# Altium PCB GE21_M1_pku_f100.PcbDoc (part 1 of 19) (continued)
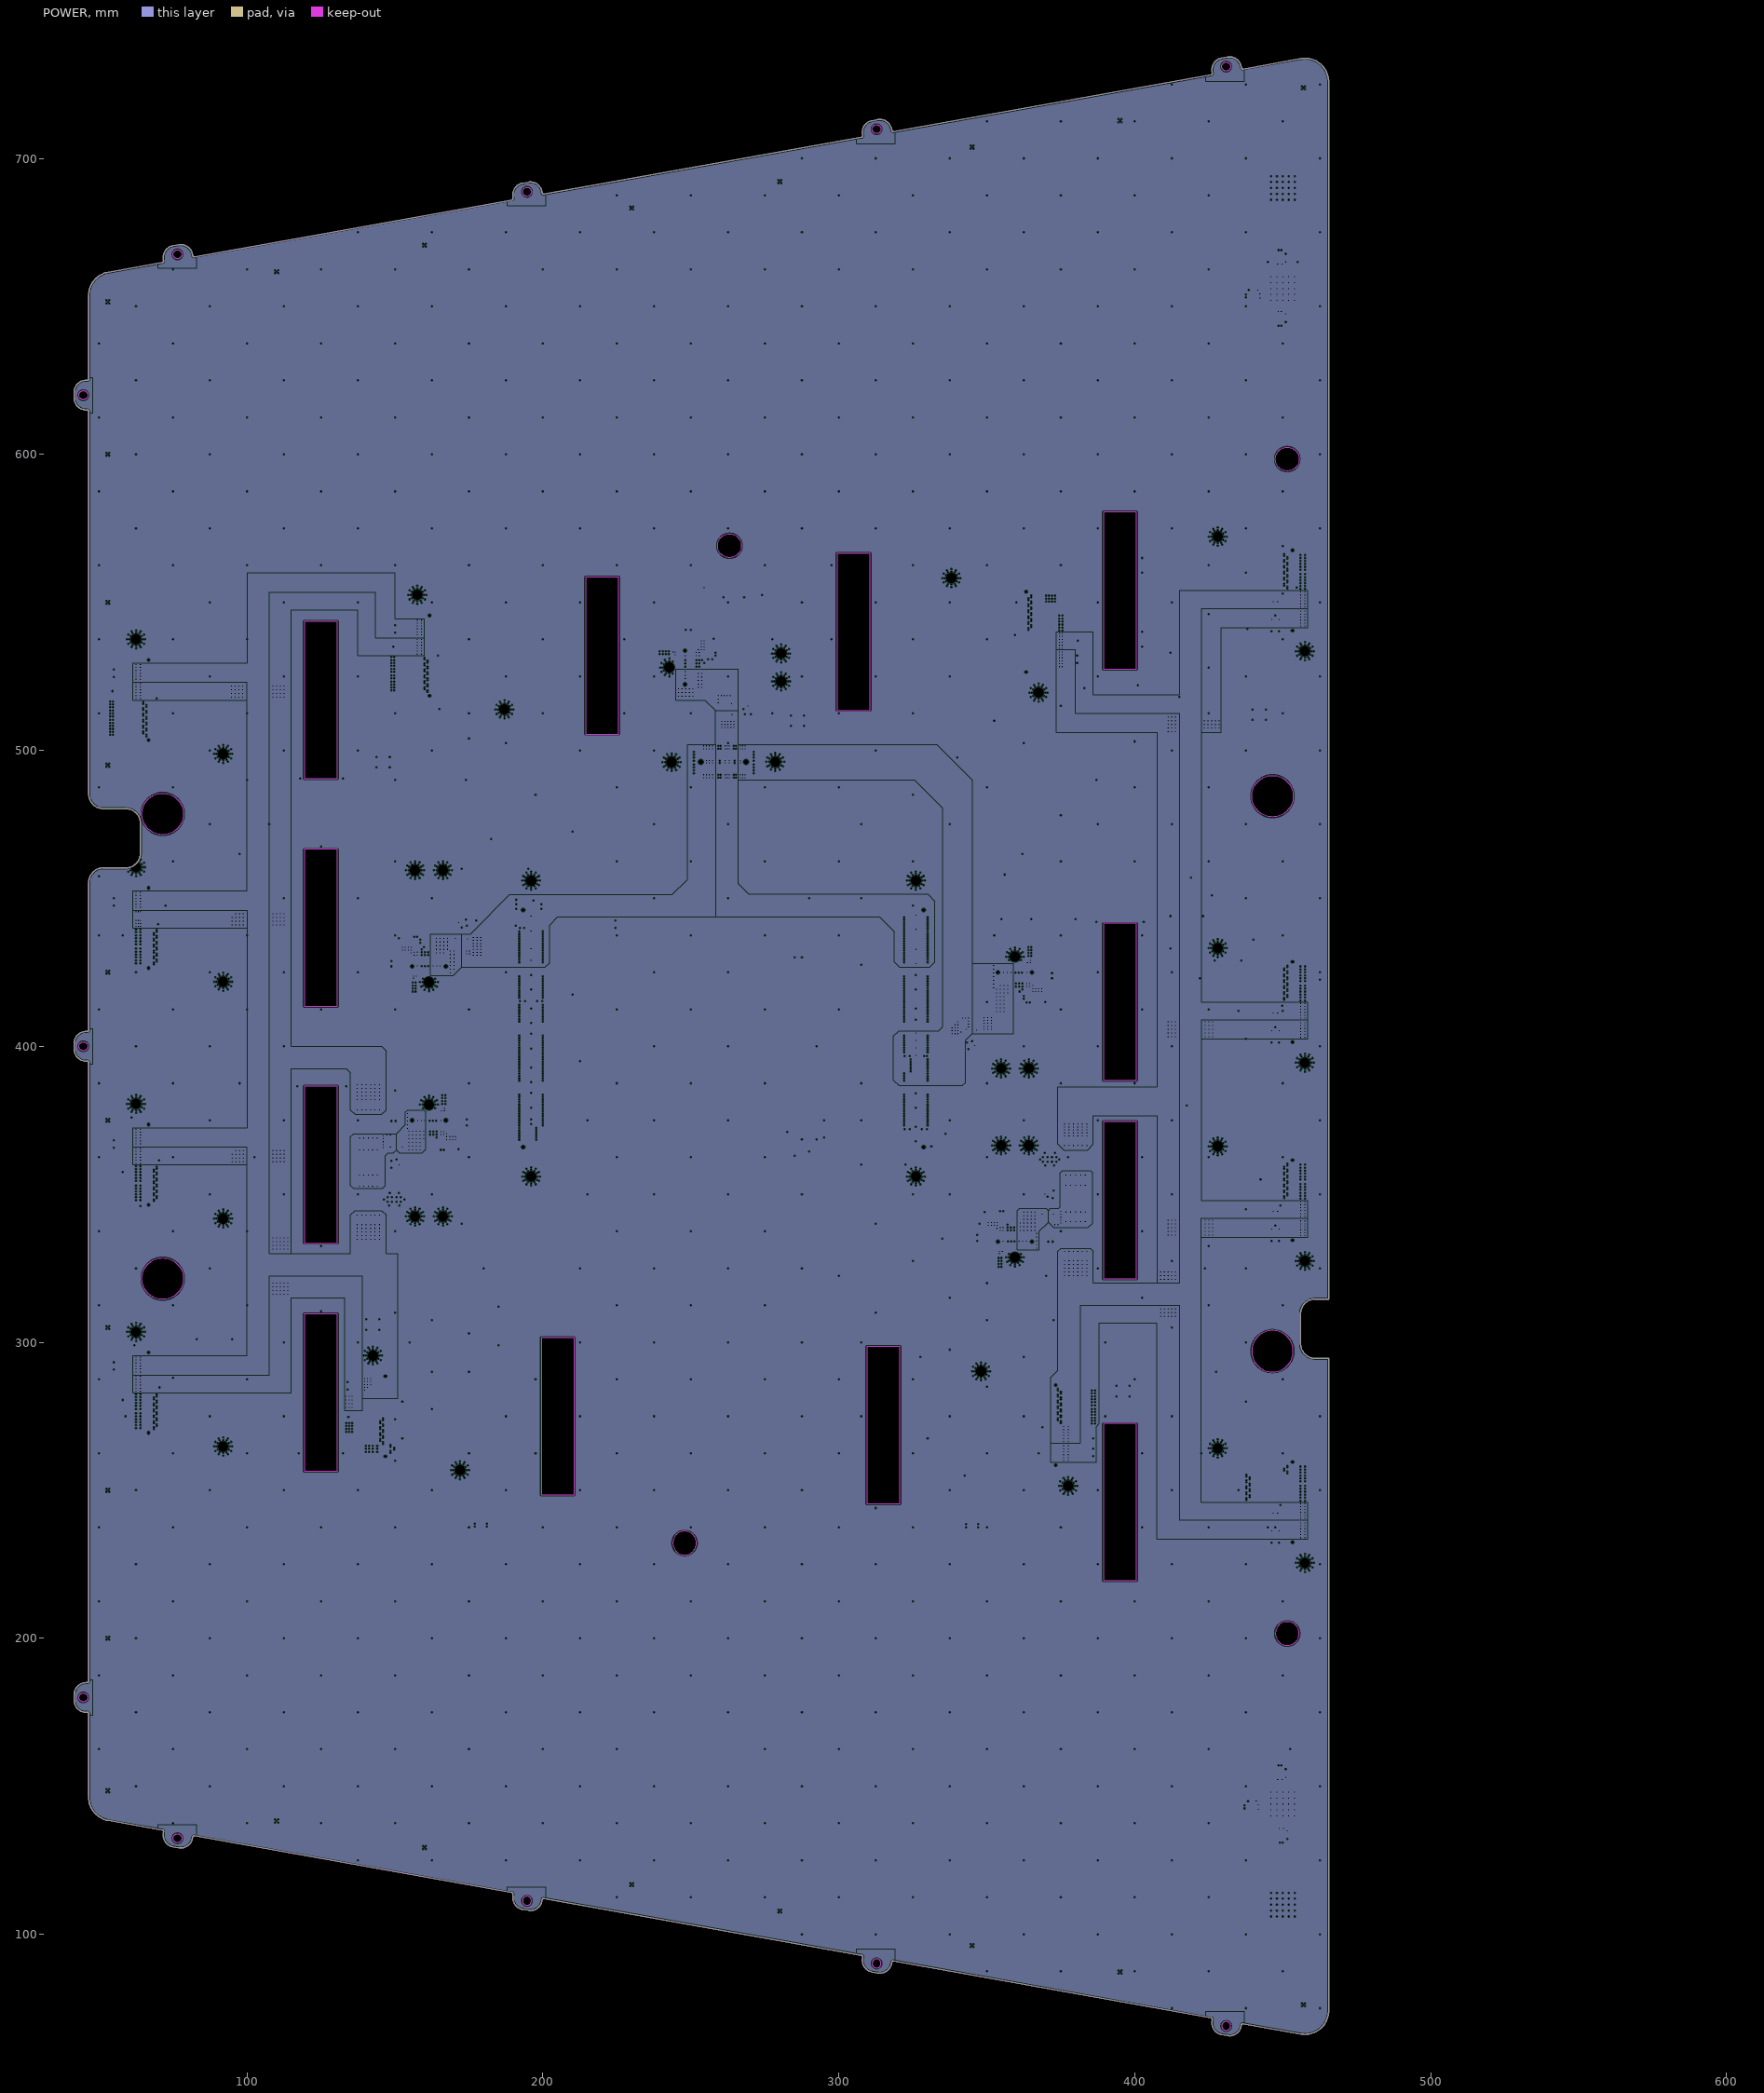
[diagram p4: POWER, clearances drawn from the general rule]
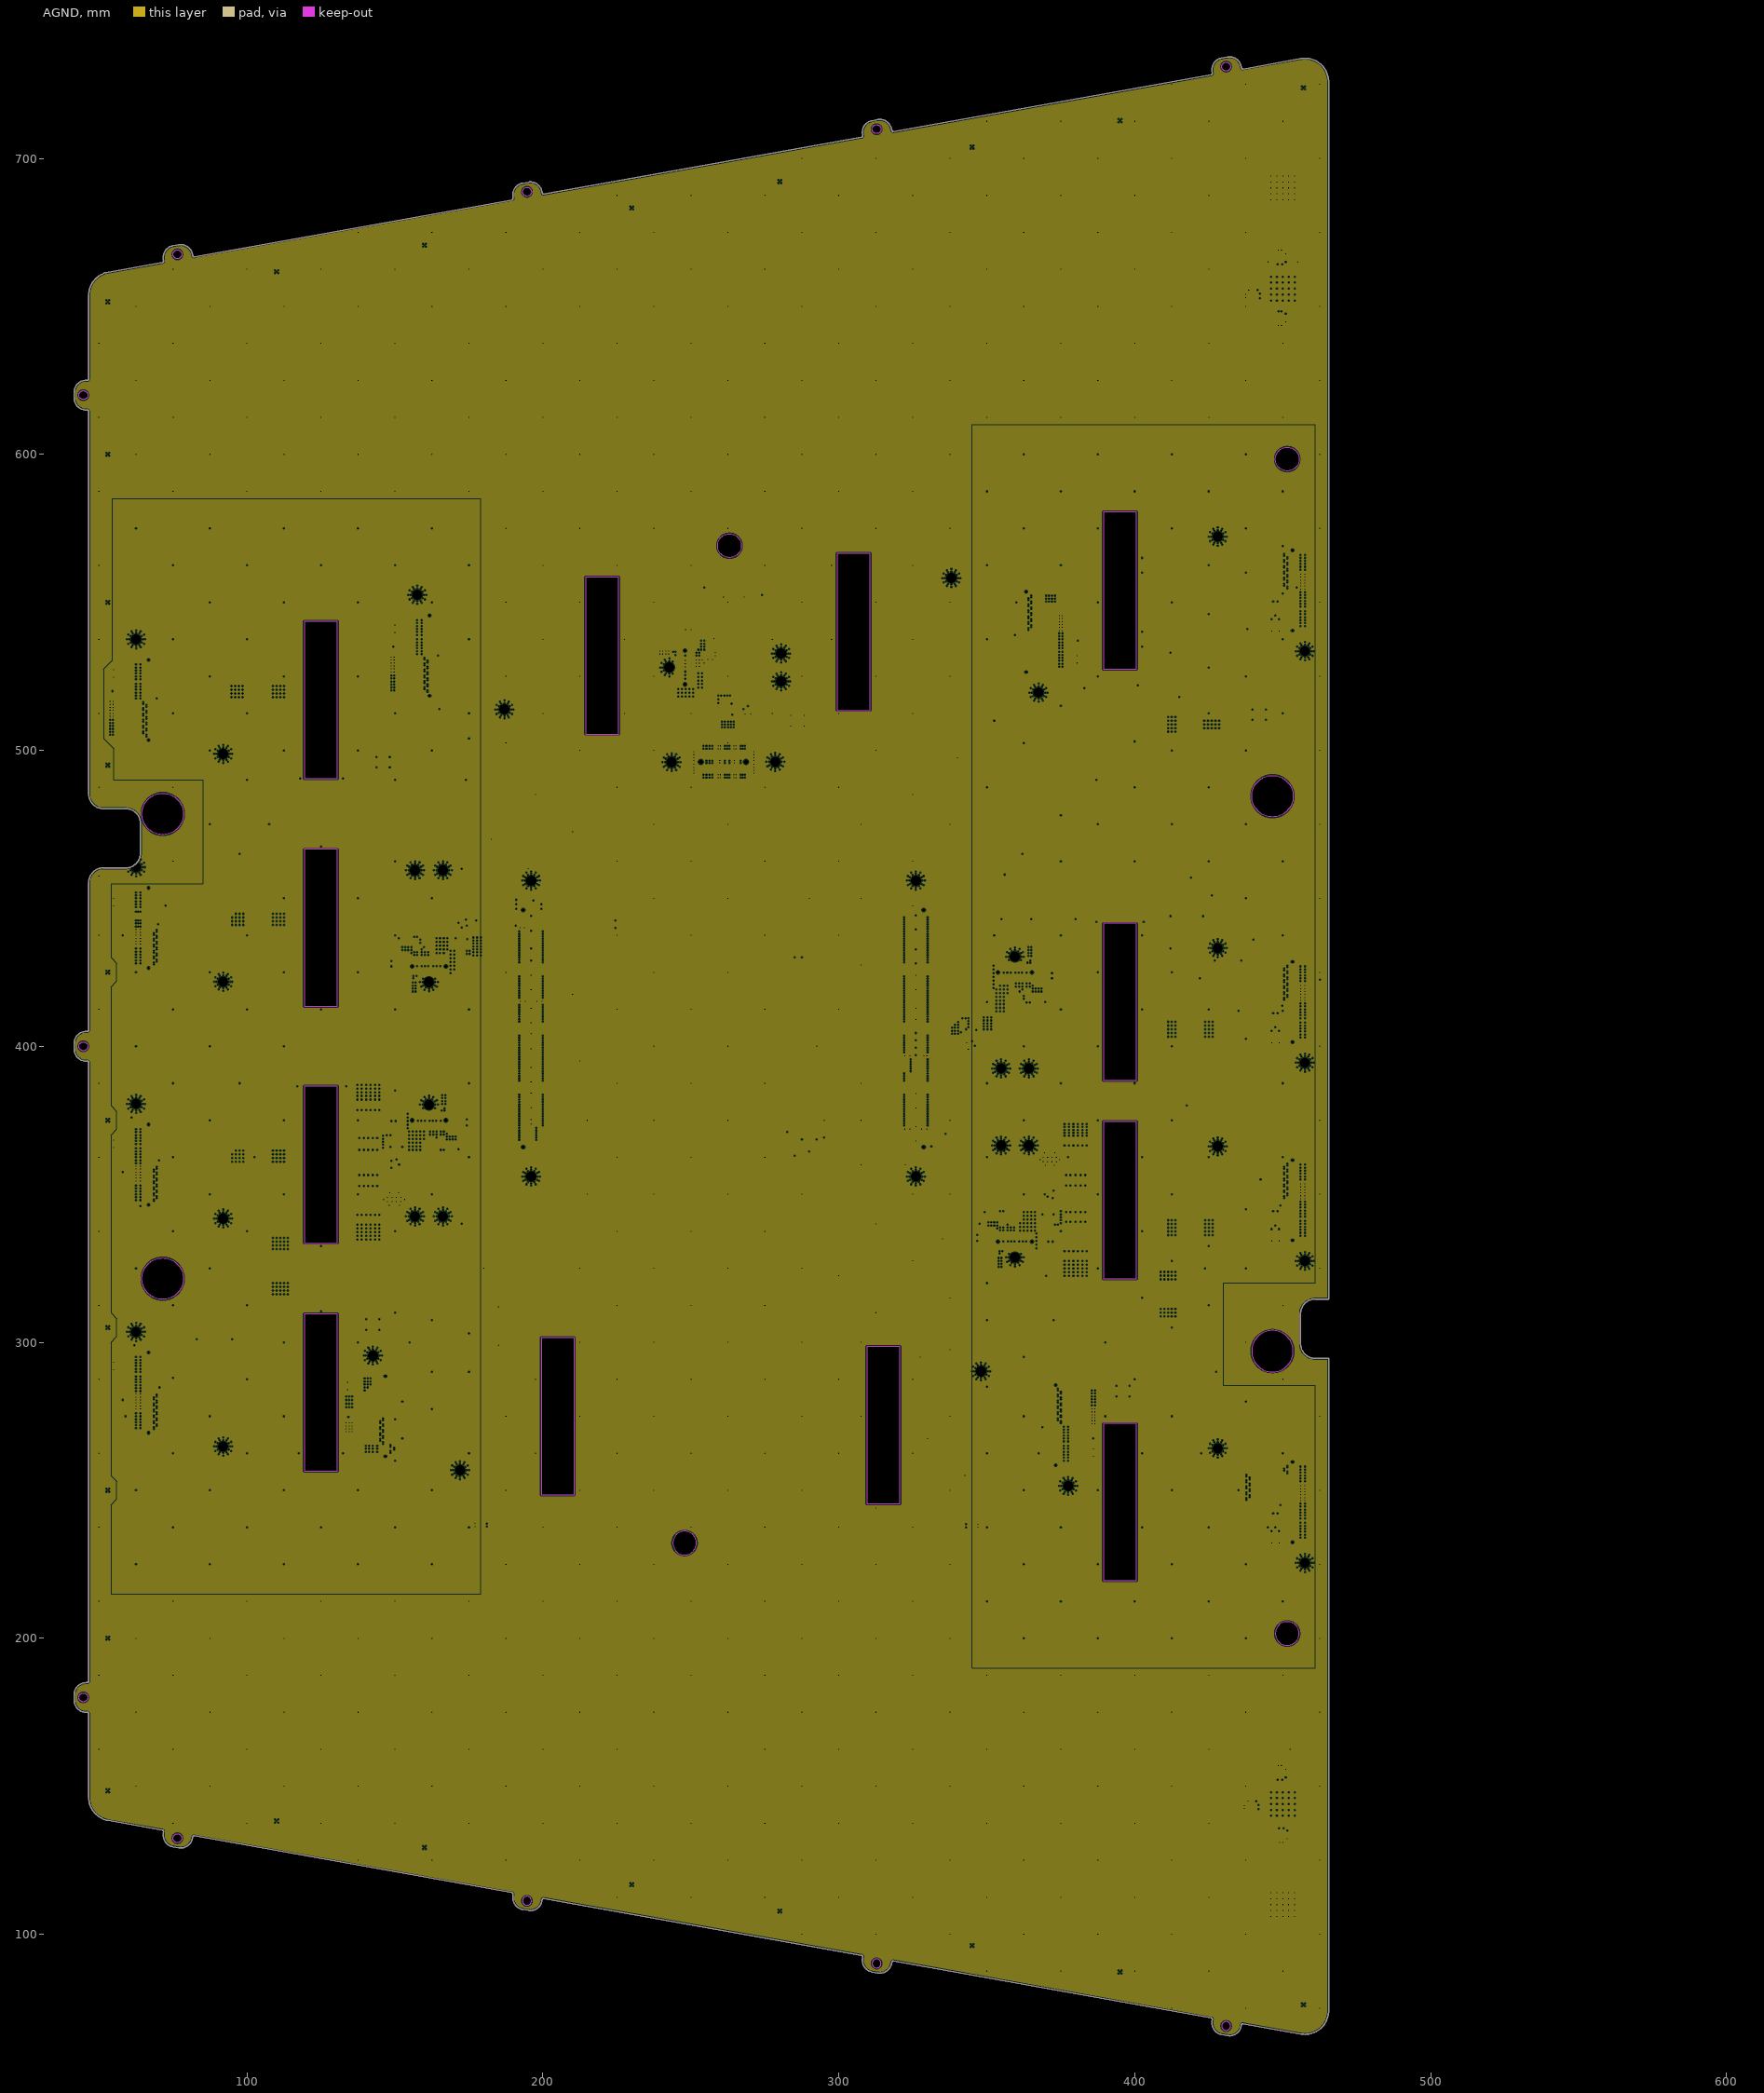
[diagram p5: AGND, clearances drawn from the general rule]
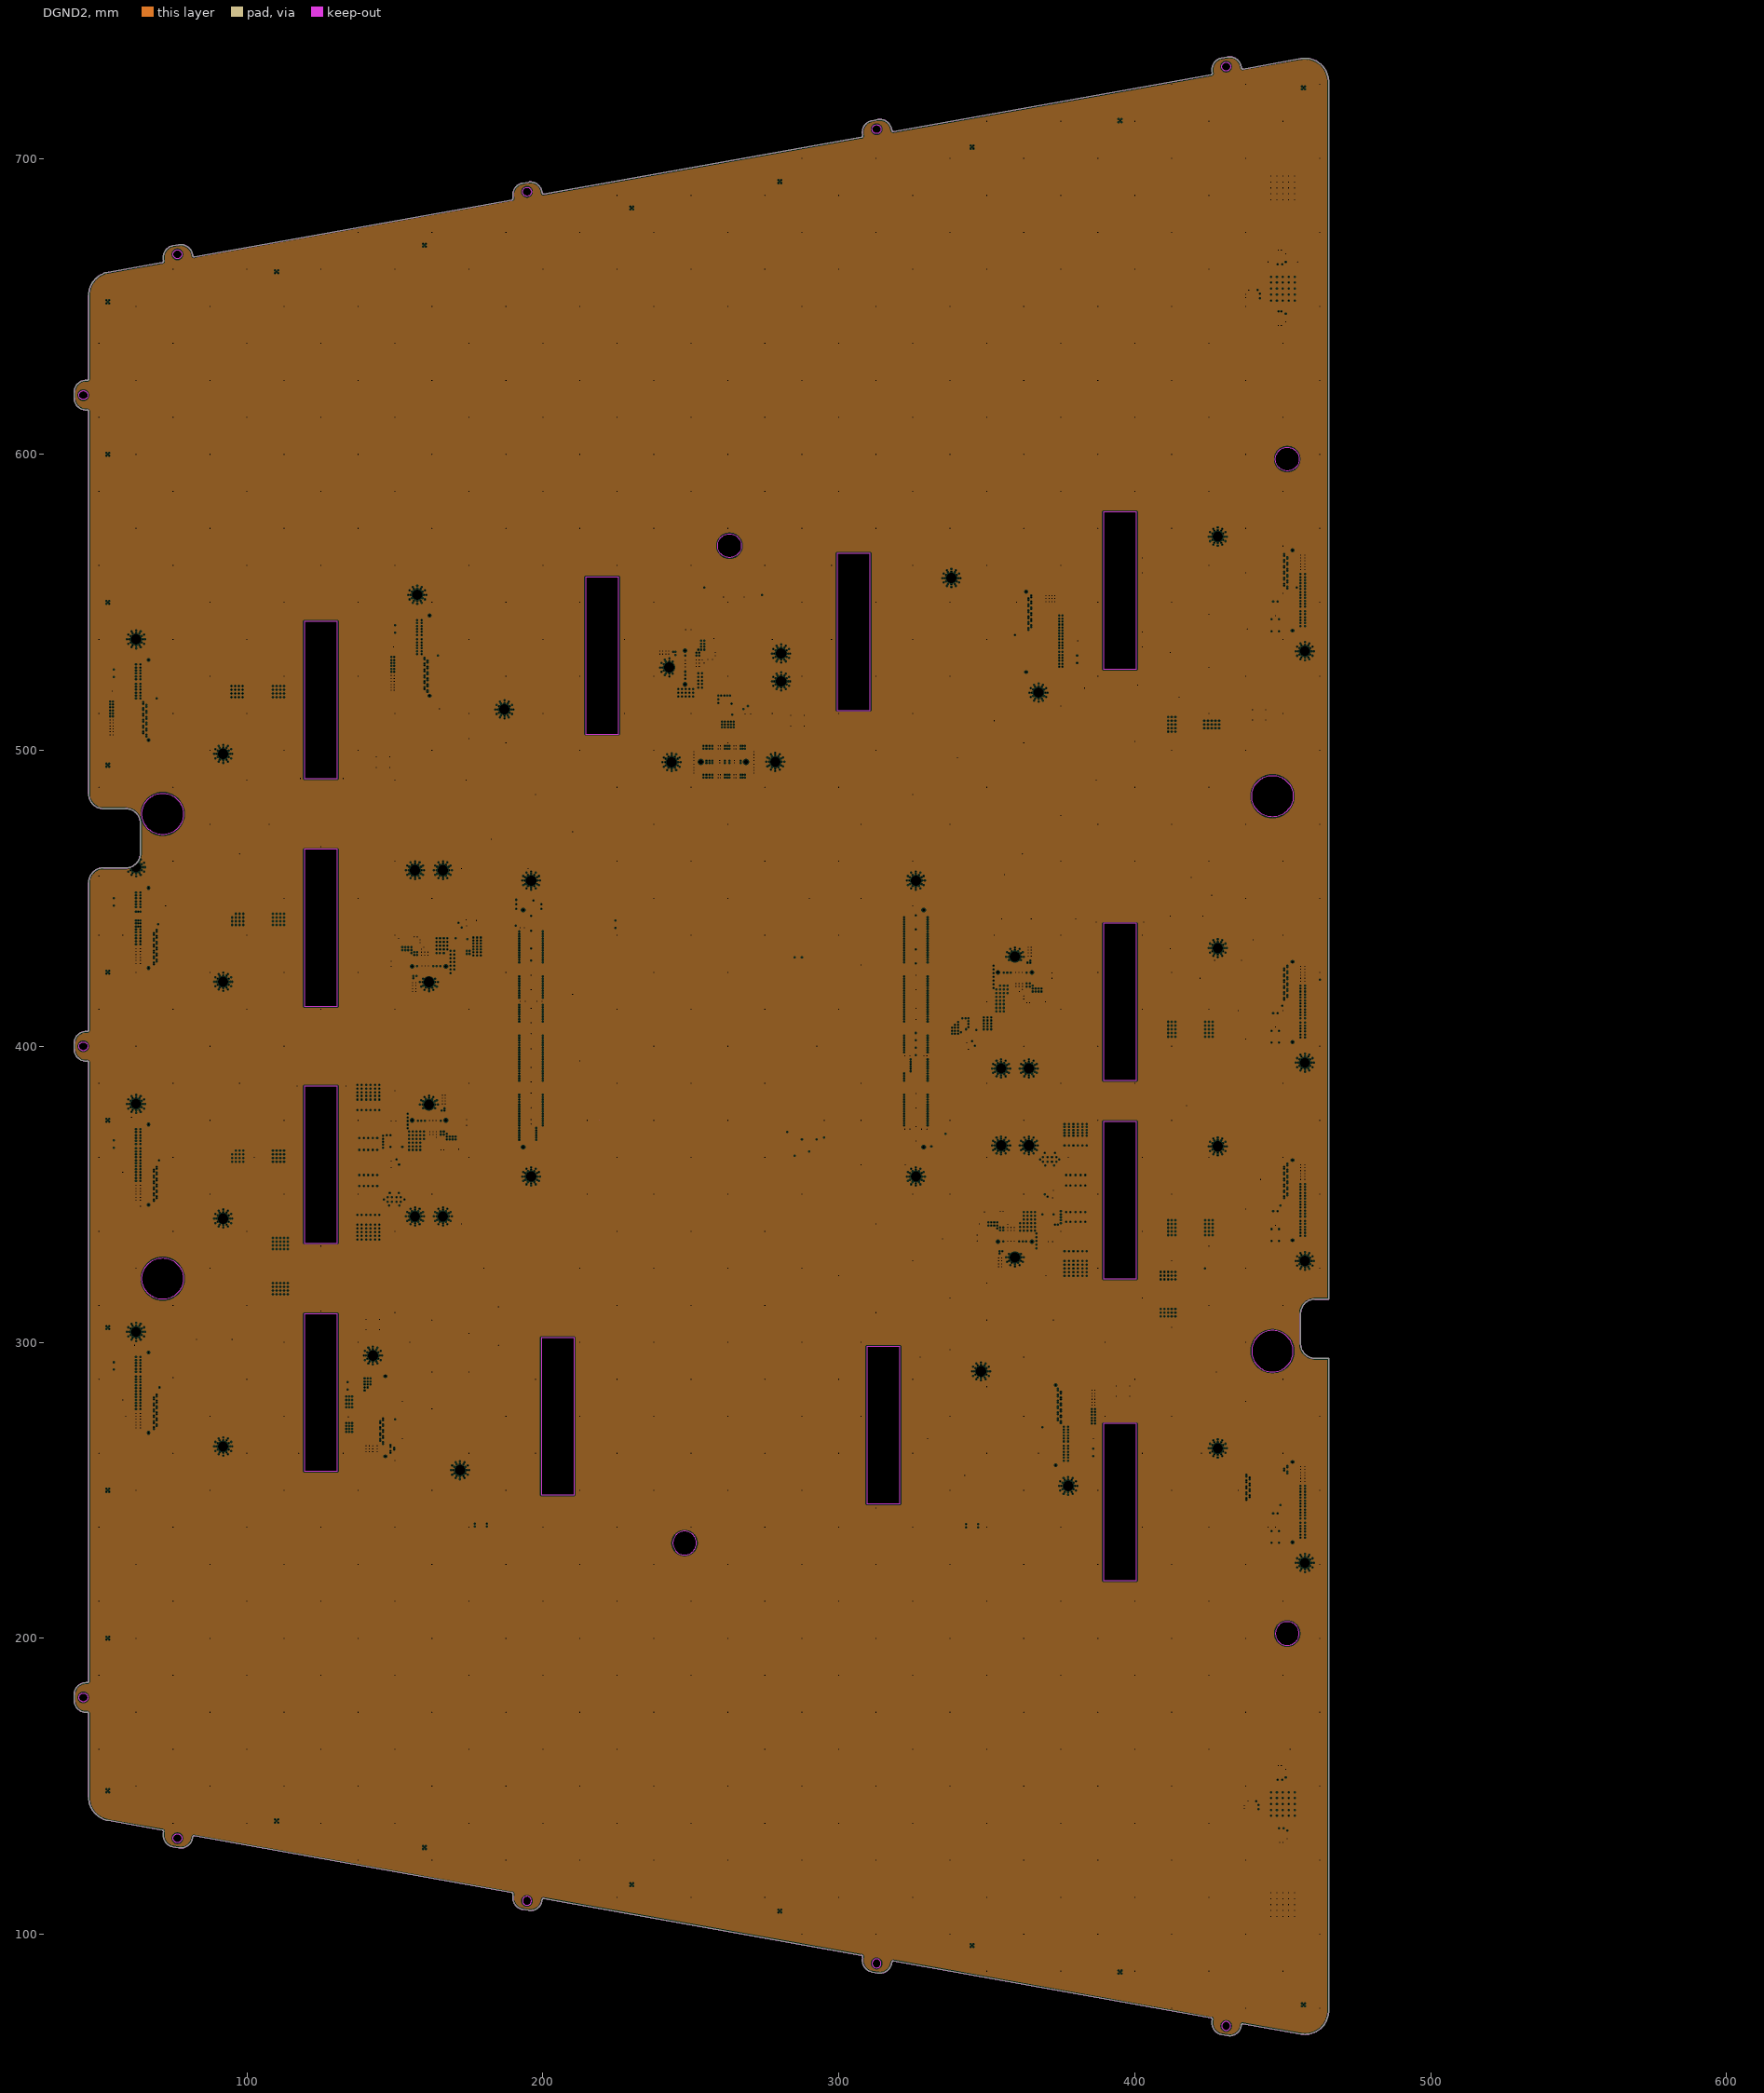
[diagram p6: DGND2, clearances drawn from the general rule]
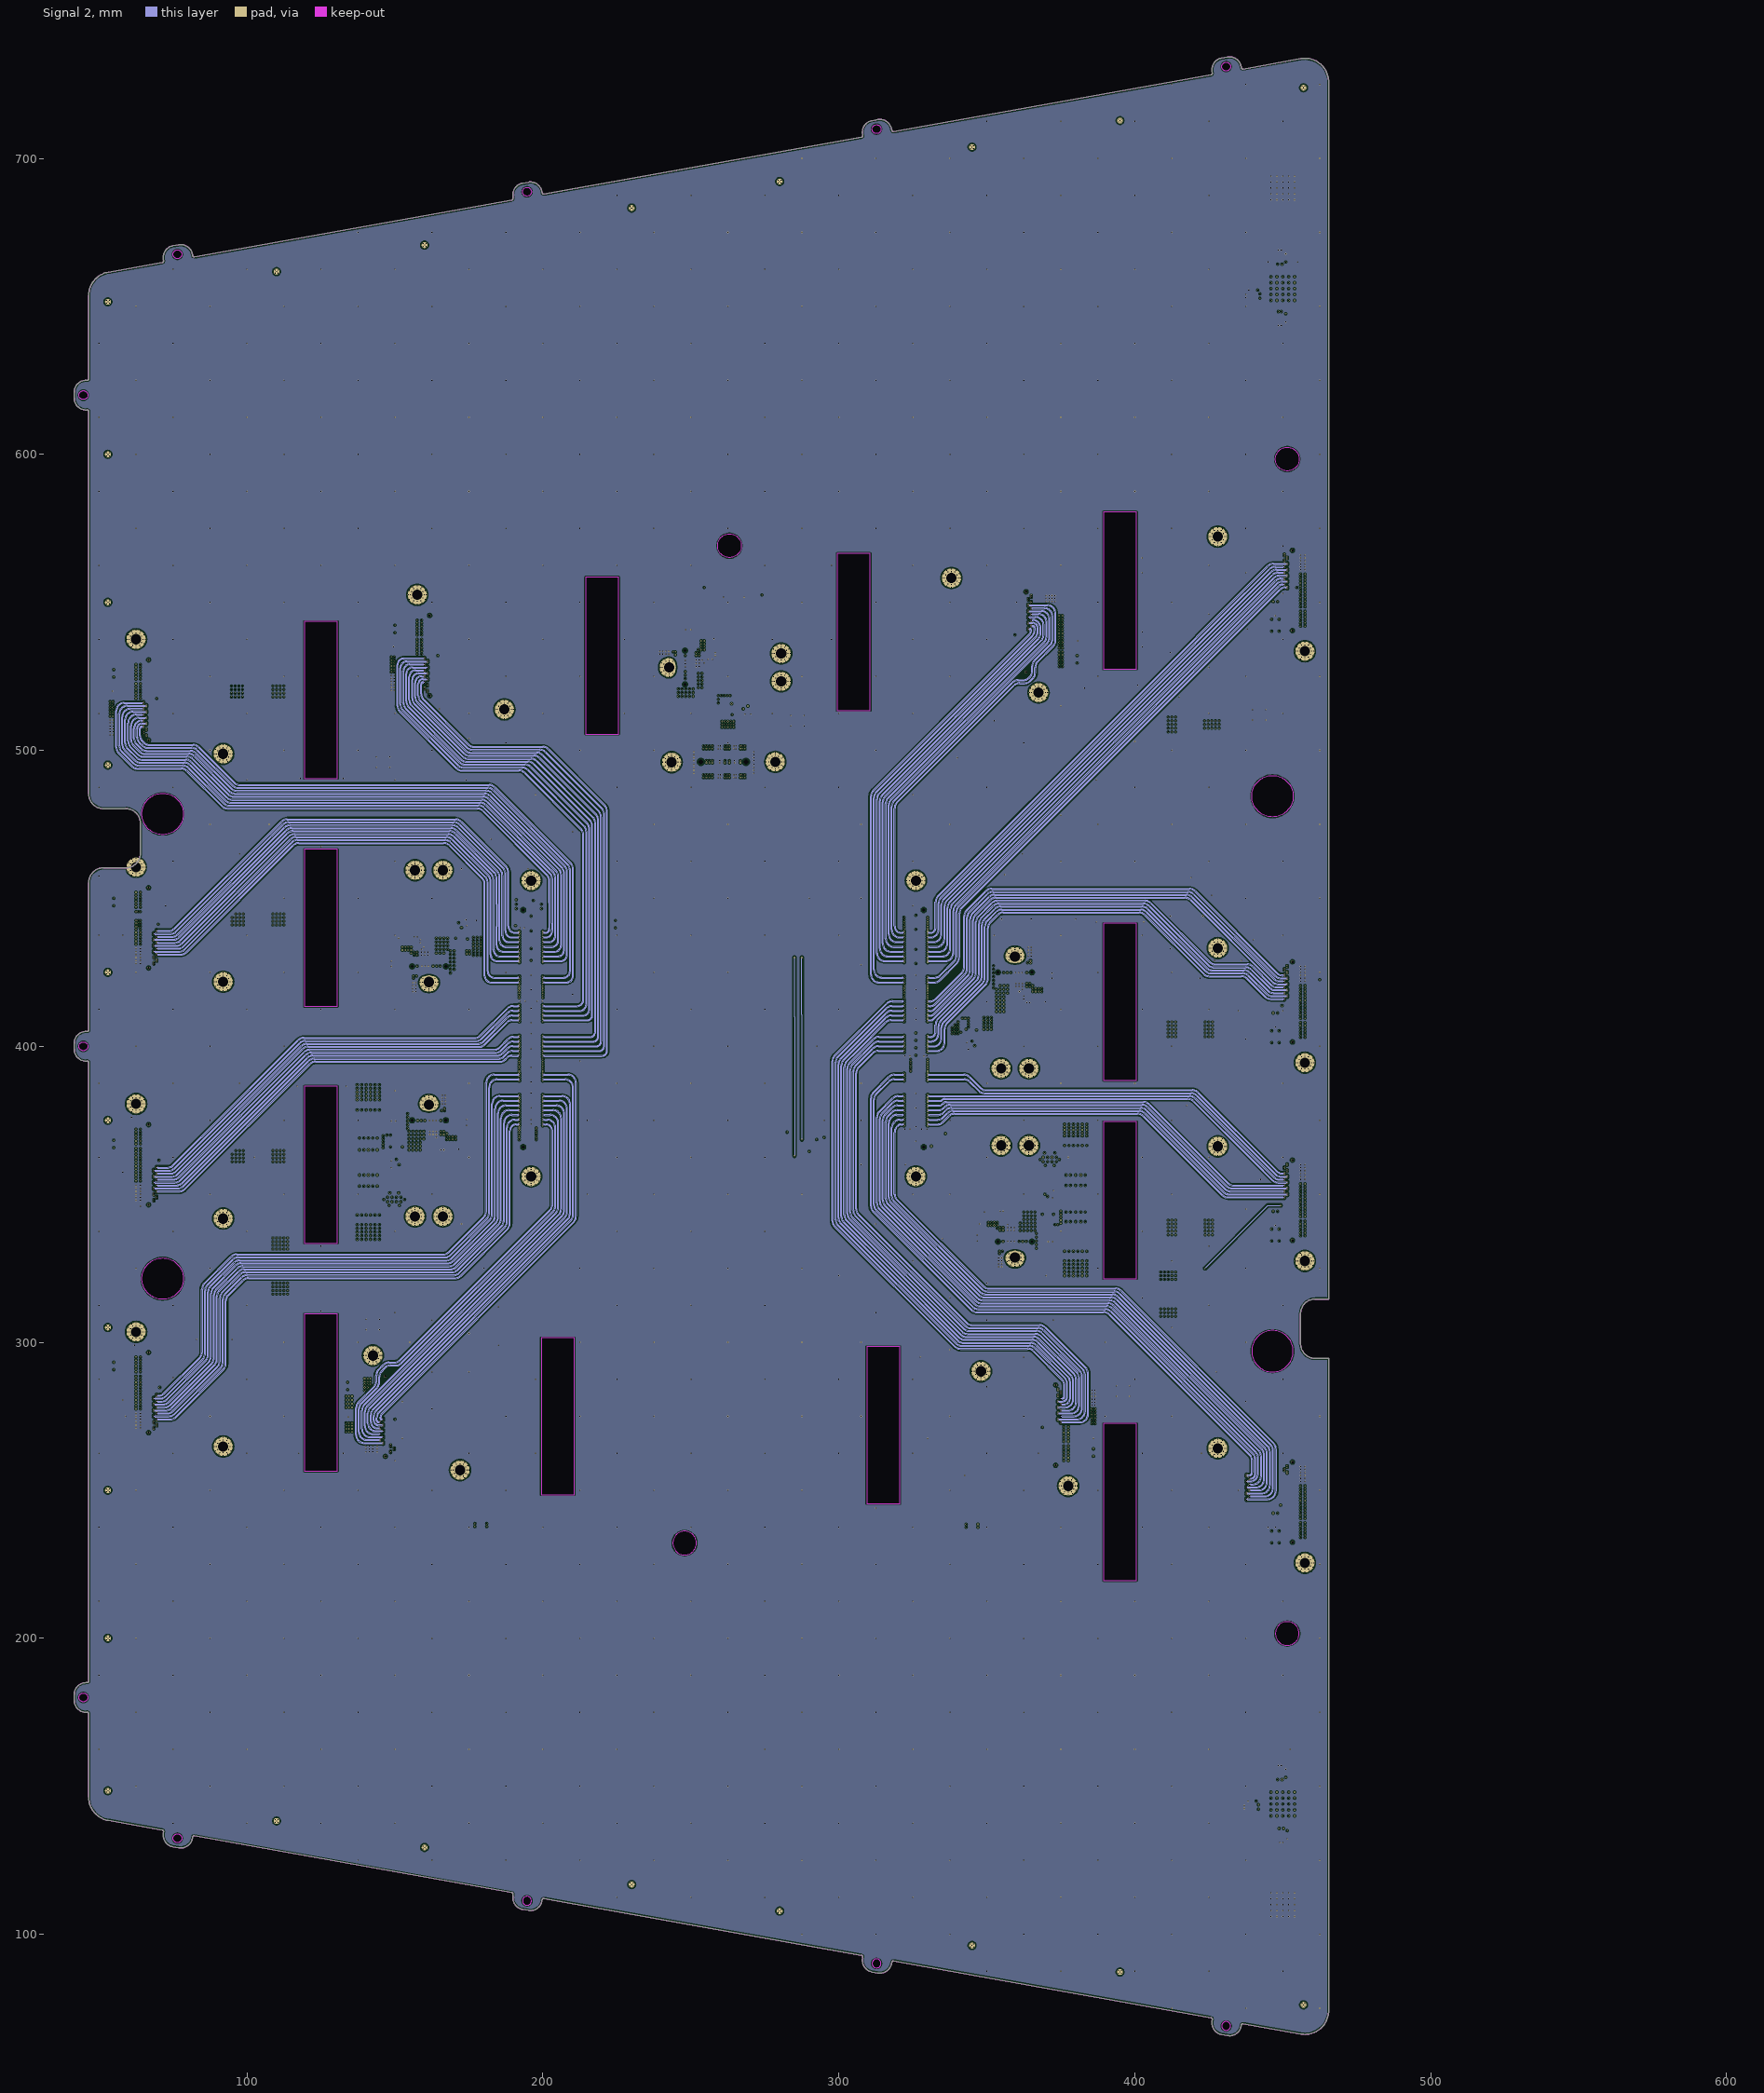
[diagram p7: Signal 2]

## Layer stack, top to bottom
Top Solder: solder mask 0.0102, Solder Resist, Dk 3.5
Top Layer: signal copper 0.035
Dielectric 1: core 0.16, FR-4, Dk 4.2
Signal 1: signal copper 0.018
Dielectric 2: prepreg 0.13, Dk 4.2
DGNG1: plane copper 0.018, net DGND
Dielectric 3: core 0.08, Dk 4.2
POWER: plane copper 0.036, net (Multiple Nets)
Dielectric 4: prepreg 0.076, Dk 4.2
AGND: plane copper 0.036, net (Multiple Nets)
Dielectric 5: core 0.08, Dk 4.2
DGND2: plane copper 0.018, net DGND
Dielectric 6: prepreg 0.13, Dk 4.2
Signal 2: signal copper 0.018
Dielectric 7: core 0.16, Dk 4.2
Bottom Layer: signal copper 0.035
Bottom Solder: solder mask 0.0102, Solder Resist, Dk 3.5

## Board outline
45.6,175 cw(c45.6,179) 41.6,179 41.6,181 cw(c45.6,181) 45.6,185 46,185 ccw(c46,185.5) 46.5,185.5 46.5,394.5 ccw(c46,394.5) 46,395 45.6,395 cw(c45.6,399) 41.6,399 41.6,401 cw(c45.6,401) 45.6,405 46,405 ccw(c46,405.5) 46.5,405.5 46.5,455.285 cw(c51.5,455.285) 51.5,460.285 59,460.285 ccw(c59,465.285) 64,465.285 64,475.285 ccw(c59,475.285) 59,480.285 51.5,480.285 cw(c51.5,485.285) 46.5,485.285 46.5,614.5 ccw(c46,614.5) 46,615 45.6,615 cw(c45.6,619) 41.6,619 41.6,621 cw(c45.6,621) 45.6,625 46,625 ccw(c46,625.5) 46.5,625.5 46.5,653.668 cw(c54.5,653.668) 53.09,661.543 71.403,664.821 ccw(c71.315,665.313) 71.807,665.401 71.737,665.795 cw(c75.674,666.5) 74.969,670.437 76.938,670.79 cw(c77.643,666.853) 81.58,667.557 81.651,667.164 ccw(c82.143,667.252) 82.231,666.76 189.525,685.968 ccw(c189.437,686.46) 189.929,686.549 189.859,686.942 cw(c193.796,687.647) 193.091,691.585 195.06,691.937 cw(c195.765,688) 199.702,688.705 199.773,688.311 ccw(c200.265,688.399) 200.353,687.907 307.647,707.115 ccw(c307.559,707.607) 308.051,707.696 307.981,708.089 cw(c311.918,708.794) 311.213,712.732 313.182,713.084 cw(c313.887,709.147) 317.824,709.852 317.895,709.458 ccw(c318.387,709.546) 318.475,709.054 425.769,728.262 ccw(c425.681,728.755) 426.173,728.843 426.103,729.236 cw(c430.04,729.941) 429.335,733.879 431.304,734.231 cw(c432.009,730.294) 435.946,730.999 436.017,730.605 ccw(c436.509,730.693) 436.597,730.201 456.09,733.691 cw(c457.5,725.816) 465.5,725.816 465.5,314.563 460.874,314.563 ccw(c460.874,309.689) 456,309.689 456,299.527 ccw(c460.965,299.527) 460.965,294.563 465.5,294.563 465.5,74.184 cw(c457.5,74.184) 456.09,66.309 436.597,69.799 ccw(c436.509,69.307) 436.017,69.395 435.946,69.001 cw(c432.009,69.706) 431.304,65.769 429.335,66.121 cw(c430.04,70.059) 426.103,70.764 426.173,71.157 ccw(c425.681,71.245) 425.769,71.738 318.475,90.946 ccw(c318.387,90.454) 317.895,90.542 317.824,90.148 cw(c313.887,90.853) 313.182,86.916 311.213,87.268 cw(c311.918,91.206) 307.981,91.911 308.051,92.304 ccw(c307.559,92.393) 307.647,92.885 200.353,112.093 ccw(c200.265,111.601) 199.773,111.689 199.702,111.295 cw(c195.765,112) 195.06,108.063 193.091,108.415 cw(c193.796,112.353) 189.859,113.058 189.929,113.451 ccw(c189.437,113.54) 189.525,114.032 82.231,133.24 ccw(c82.143,132.748) 81.651,132.836 81.58,132.443 cw(c77.643,133.147) 76.938,129.21 74.969,129.563 cw(c75.674,133.5) 71.737,134.205 71.807,134.599 ccw(c71.315,134.687) 71.403,135.179 53.09,138.457 cw(c54.5,146.332) 46.5,146.332 46.5,174.5 ccw(c46,174.5) 46,175
cut-out: 76.5,666.062 cw(c76.5,667.562) 75,667.562 cw(c76.5,667.562) 76.5,669.062 cw(c76.5,667.562) 78,667.562 cw(c76.5,667.562)
cut-out: 194.622,687.209 cw(c194.622,688.709) 193.122,688.709 cw(c194.622,688.709) 194.622,690.209 cw(c194.622,688.709) 196.122,688.709 cw(c194.622,688.709)
cut-out: 312.744,708.356 cw(c312.744,709.856) 311.244,709.856 cw(c312.744,709.856) 312.744,711.356 cw(c312.744,709.856) 314.244,709.856 cw(c312.744,709.856)
cut-out: 430.866,729.503 cw(c430.866,731.003) 429.366,731.003 cw(c430.866,731.003) 430.866,732.503 cw(c430.866,731.003) 432.366,731.003 cw(c430.866,731.003)
cut-out: 451.51,594.399 cw(c451.51,598.399) 447.51,598.399 cw(c451.51,598.399) 451.51,602.399 cw(c451.51,598.399) 455.51,598.399 cw(c451.51,598.399)
cut-out: 446.51,477.5 cw(c446.51,484.5) 439.51,484.5 cw(c446.51,484.5) 446.51,491.5 cw(c446.51,484.5) 453.51,484.5 cw(c446.51,484.5)
cut-out: 439.51,297 ccw(c446.51,297) 446.51,290 ccw(c446.51,297) 453.51,297 ccw(c446.51,297) 446.51,304 ccw(c446.51,297)
cut-out: 447.51,201.602 ccw(c451.51,201.602) 451.51,197.602 ccw(c451.51,201.602) 455.51,201.602 ccw(c451.51,201.602) 451.51,205.602 ccw(c451.51,201.602)
cut-out: 429.366,68.997 ccw(c430.866,68.997) 430.866,67.497 ccw(c430.866,68.997) 432.366,68.997 ccw(c430.866,68.997) 430.866,70.497 ccw(c430.866,68.997)
cut-out: 311.244,90.144 ccw(c312.744,90.144) 312.744,88.644 ccw(c312.744,90.144) 314.244,90.144 ccw(c312.744,90.144) 312.744,91.644 ccw(c312.744,90.144)
cut-out: 193.122,111.291 ccw(c194.622,111.291) 194.622,109.791 ccw(c194.622,111.291) 196.122,111.291 ccw(c194.622,111.291) 194.622,112.791 ccw(c194.622,111.291)
cut-out: 76.5,130.938 cw(c76.5,132.438) 75,132.438 cw(c76.5,132.438) 76.5,133.938 cw(c76.5,132.438) 78,132.438 cw(c76.5,132.438)
cut-out: 44.7,178.5 cw(c44.7,180) 43.2,180 cw(c44.7,180) 44.7,181.5 cw(c44.7,180) 46.2,180 cw(c44.7,180)
cut-out: 71.51,314.5 cw(c71.51,321.5) 64.51,321.5 cw(c71.51,321.5) 71.51,328.5 cw(c71.51,321.5) 78.51,321.5 cw(c71.51,321.5)
cut-out: 44.7,398.5 cw(c44.7,400) 43.2,400 cw(c44.7,400) 44.7,401.5 cw(c44.7,400) 46.2,400 cw(c44.7,400)
cut-out: 71.51,471.5 cw(c71.51,478.5) 64.51,478.5 cw(c71.51,478.5) 71.51,485.5 cw(c71.51,478.5) 78.51,478.5 cw(c71.51,478.5)
cut-out: 44.7,618.5 cw(c44.7,620) 43.2,620 cw(c44.7,620) 44.7,621.5 cw(c44.7,620) 46.2,620 cw(c44.7,620)
cut-out: 243.862,232.161 ccw(c247.862,232.161) 247.862,228.161 ccw(c247.862,232.161) 251.862,232.161 ccw(c247.862,232.161) 247.862,236.161 ccw(c247.862,232.161)
cut-out: 263.031,565.117 cw(c263.031,569.117) 259.031,569.117 cw(c263.031,569.117) 263.031,573.117 cw(c263.031,569.117) 267.031,569.117 cw(c263.031,569.117)
cut-out: 219,375
